# Altium PCB Pannel3.5x2 Ver0.1.PcbDoc (part 4 of 4) (continued)
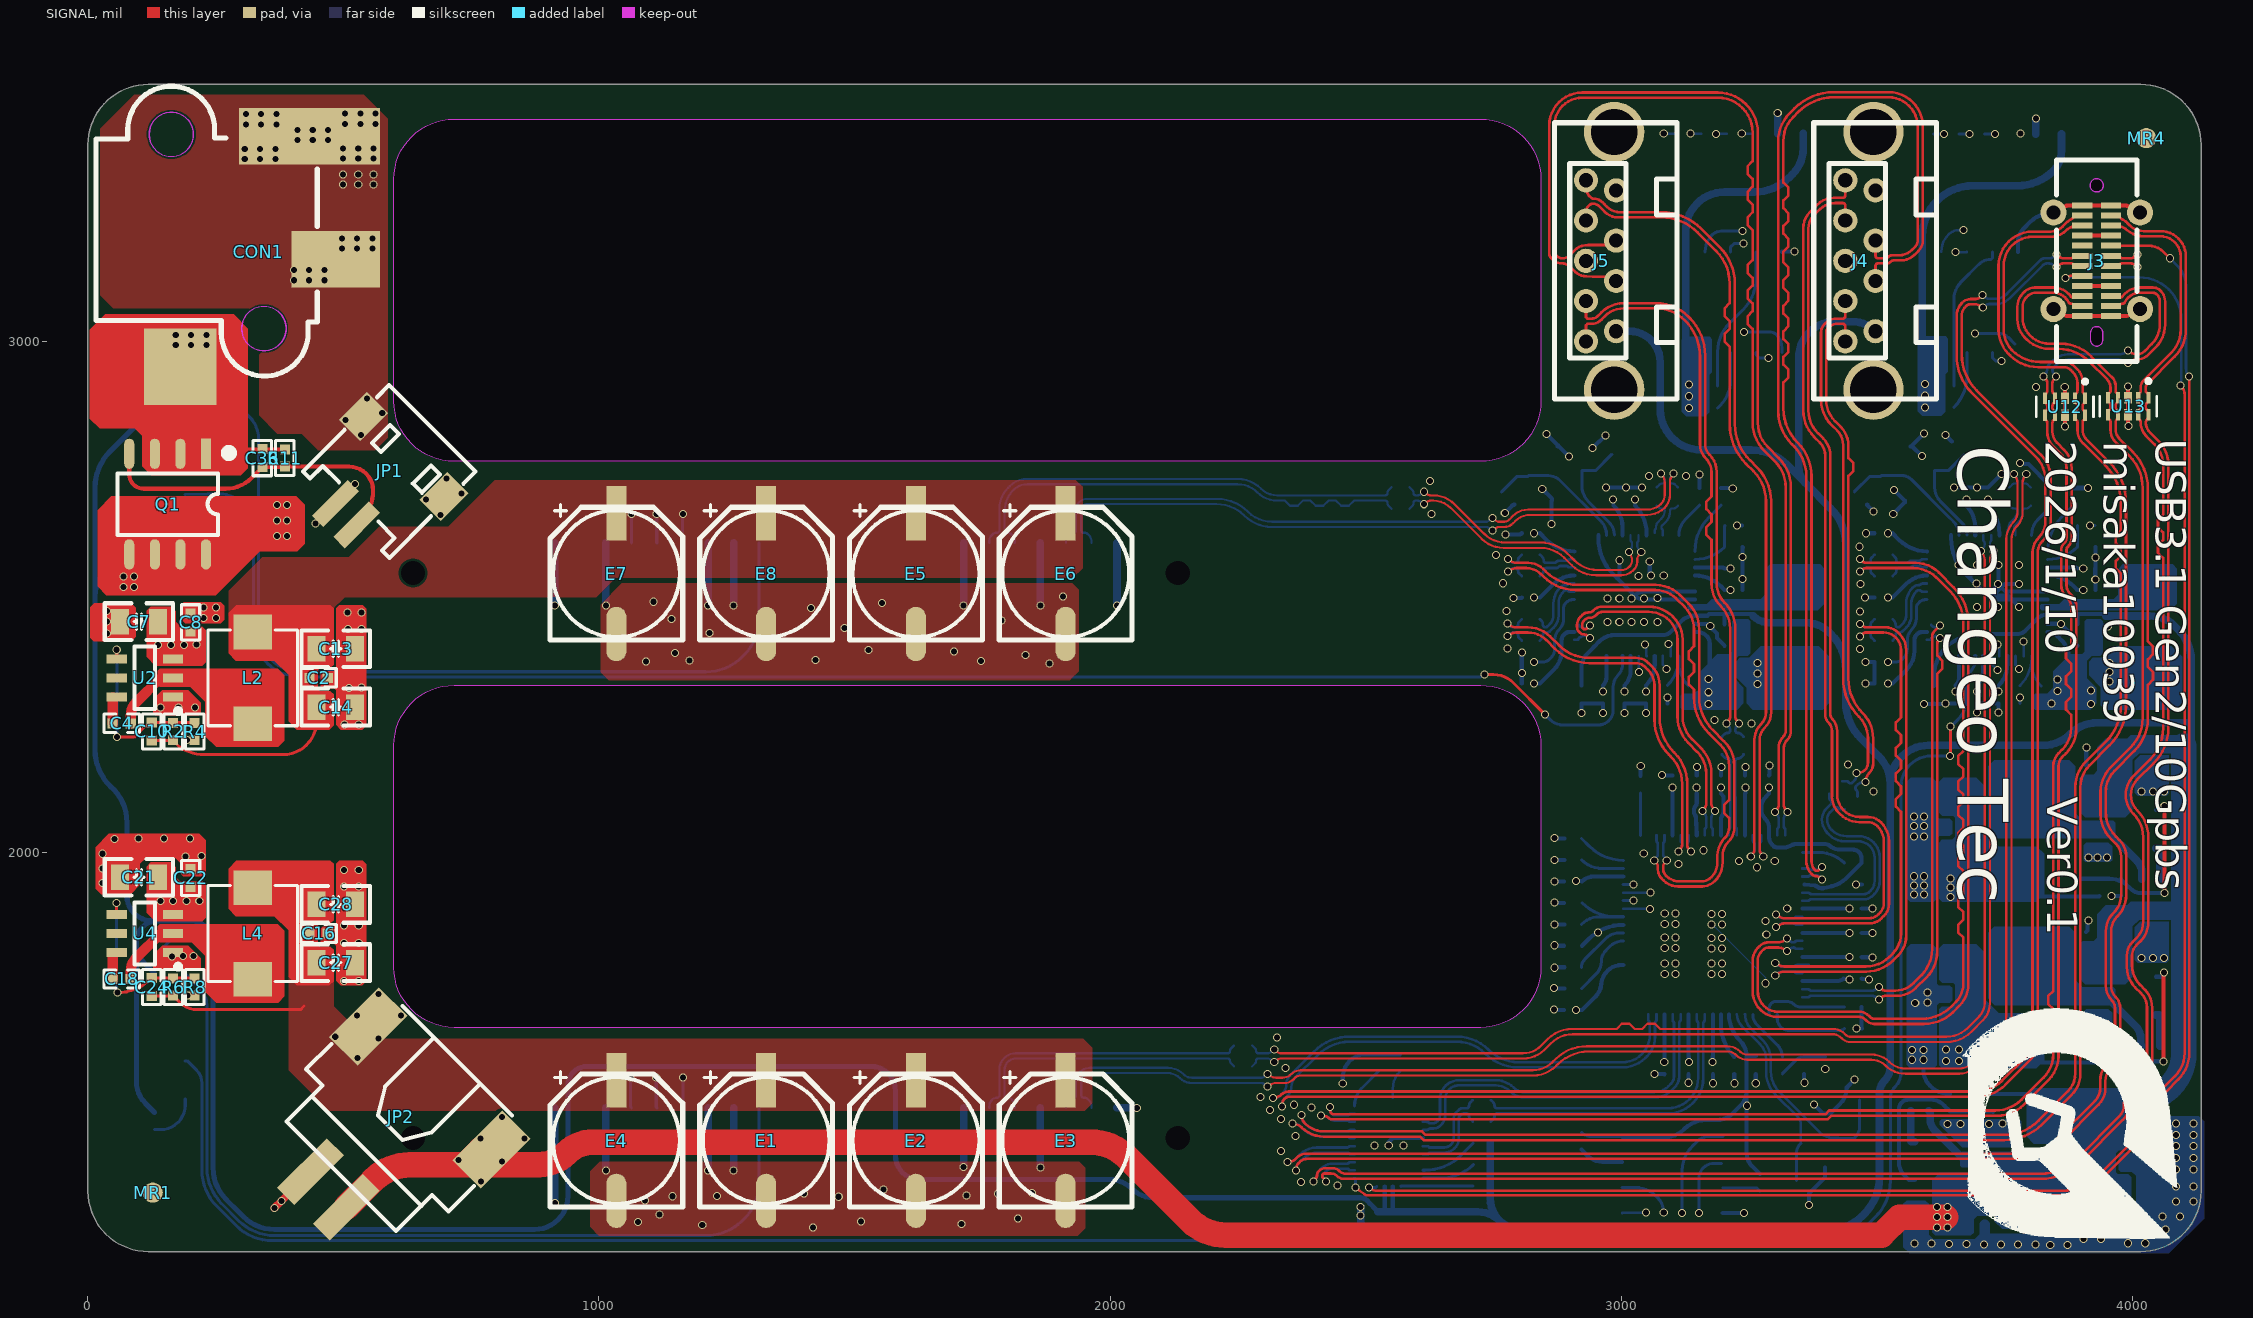
[diagram p0: SIGNAL view]
## Nets (pads, with @x,y where several pads share a name; then routed paths per layer and width w, separated by ;. In a path a pad name is that pad's centre, name@x,y a point inside that pad or via, vN(x,y) a via of type N, cw(c..) or ccw(c..) an arc to the next point about the centre after c; other vN are vias at no path point) (continued)
  other v1: 2954,1844 3644,1913 3644,1932 3644,1950 3147.5,2127.72 3194.7,2127.72
VCC1V2-B: C46.2 C47.2 C49.2 C50.2 C51.2 C52.2 C53.2 C54.2 C55.2 C56.2 L6.2 U6.4 U6.10 U6.18 U6.21 U6.24 U6.29 U6.32 U6.40 | length 723.6
  SIGNAL (Bottom) w6: v1(3522.05,2373) 3536.35,2373 ccw(c3536.35,2391.47) 3544.79,2375.04 ccw(c3536.35,2391.47) 3549.4,2378.4 3552.78,2381.78 ccw(c3536.52,2398.03) 3559.51,2398.03 3559.51,2416 cw(c3588.64,2416) 3568.02,2436.58 ; v1(3522.05,2499) C56.2@3530.72,2499 ; v1(3522.05,2625) C54.2@3530.72,2625 ; 3568.04,2436.6 3568.31,2436.87 ; 3568.33,2436.89 ccw(c3547.06,2458.12) 3577.11,2458.12 3577.11,2479.38 cw(c3588.05,2479.38) 3579.91,2486.68 3582.59,2489.67 cw(c3595.78,2476.46) 3595.78,2495.13 U6.18@3597.89,2495.13 ; v1(3653.58,2315.28) 3653.58,2326.58 C52.2@3654,2327 ; C55.2@3675,2679 v1(3675,2690.72) ; C49.2@3717,2679 v1(3717,2690.72) ; C51.2@3738,2327 v1(3738,2315.28) 3738,2313.41 ccw(c3741.41,2313.41) v1@3739,2311
  SIGNAL (Bottom) w8: C56.2@3530.72,2499 3557.25,2525.54 cw(c3597.89,2484.9) U6.21@3597.89,2542.37 ; C54.2@3530.72,2625 3543.62,2612.09 ccw(c3597.89,2666.36) U6.24@3597.89,2589.61 ; C52.2@3654,2327 ccw(c3637.39,2343.61) 3660.88,2343.61 U6.10@3660.88,2384.89 ; C55.2@3675,2679 cw(c3633.05,2637.05) 3692.38,2637.05 U6.29@3692.38,2621.11 ; C49.2@3717,2679 cw(c3662.39,2624.39) 3739.62,2624.39 U6.32@3739.62,2621.11 ; C51.2@3738,2327 ccw(c3696.07,2368.93) 3755.37,2368.93 U6.4@3755.37,2384.89 ; U6.40@3834.11,2542.37 cw(c3834.11,2471.1) 3861.24,2537.01 cw(c3834.11,2471.1) 3884.51,2521.49 C50.2@3892,2514 v1(3903.72,2514)
  other v1: 3955,2335 3955,2354 3955,2371
VCC1V2-C: C68.2 C69.2 C71.2 C72.2 C73.2 C74.2 C75.2 C76.2 C77.2 C78.2 L7.2 U8.4 U8.10 U8.18 U8.21 U8.24 U8.29 U8.32 U8.40 | length 739.8
  SIGNAL (Bottom) w6: v1@2826,2499 v1(2829,2499) C73.2@2840.72,2499 ; v1(2829,2373) C74.2@2840.72,2373 2846.35,2373 ccw(c2846.35,2391.47) 2859.4,2378.4 2862.78,2381.78 ccw(c2846.52,2398.03) 2869.51,2398.03 2869.51,2415.62 cw(c2899.56,2415.62) 2878.31,2436.87 ; v1(2829,2625) C71.2@2840.72,2625 ; 2878.33,2436.89 ccw(c2857.06,2458.12) 2887.11,2458.12 2887.11,2479.38 cw(c2898.05,2479.38) 2888.72,2485.1 2889.84,2486.92 2892.58,2489.66 cw(c2905.78,2476.46) 2905.78,2495.13 U8.18@2907.89,2495.13 ; v1(2964,2315.28) C77.2@2964,2327 ; v1(2984,2690.72) 2985,2689.72 C78.2@2985,2679 ; C76.2@3027,2679 v1(3027,2690.72) ; v1@3045,2309.65 3048,2312.65 v1(3048,2315.28) C75.2@3048,2327 ; C72.2@3202,2514 v1(3213.72,2514) v1@3214.72,2513
  SIGNAL (Bottom) w8: C73.2@2840.72,2499 2867.25,2525.54 cw(c2907.89,2484.9) U8.21@2907.89,2542.37 ; C71.2@2840.72,2625 2853.62,2612.09 ccw(c2907.89,2666.36) U8.24@2907.89,2589.61 ; C77.2@2964,2327 ccw(c2947.39,2343.61) 2970.88,2343.61 U8.10@2970.88,2384.89 ; C78.2@2985,2679 cw(c2943.05,2637.05) 3002.38,2637.05 U8.29@3002.38,2621.11 ; C76.2@3027,2679 cw(c2972.39,2624.39) 3049.62,2624.39 U8.32@3049.62,2621.11 ; C75.2@3048,2327 ccw(c3006.07,2368.93) 3065.37,2368.93 U8.4@3065.37,2384.89 ; U8.40@3144.11,2542.37 cw(c3144.11,2471.1) 3194.51,2521.49 C72.2@3202,2514
  other v1: 3266,2330 3266,2351 3266,2371
VCC3.3V-VL822: C15.1 C23.2 C25.1 C26.1 C102.2 C103.2 C104.2 C105.2 C106.2 L3.2 R5.1 R30.2 R31.2 R33.2 R35.2 R38.2 R40.2 R43.2 R44.2 R45.2 R46.2 R47.1 U11.17 U11.24 U11.46 U11.62 U11.73 U14.8 | length 1784.5
  SIGNAL (Bottom) w6: R47.1@2922,1452.73 ccw(c2940.67,1471.4) 2940.67,1445 U14.8@3001.57,1445
  SIGNAL (Bottom) w8: v1(2868,1735) ccw(c2870.41,1737.41) 2870.41,1734 R33.2@2888.54,1734 ; v1(2869,1775) cw(c2871.41,1772.59) 2871.41,1776 R31.2@2888.54,1776 ; v1(2869,1860) R30.2@2888.54,1860 ; v1(2869,2029) ccw(c2871.41,2031.41) 2871.41,2028 R35.2@2888.54,2028 ; v1(2911.28,1692) C103.2@2923,1692 2947.86,1716.86 ; v1(2911.28,1945) 2911.78,1944.5 2922.5,1944.5 C102.2@2923,1944 cw(c2945.93,1921.07) 2945.93,1953.5 U11.73@3003.8,1953.5 ; 2948.98,1717.98 ccw(c2919.96,1747) 2958.71,1733.48 ccw(c2919.96,1747) 2960.41,1740.04 ccw(c2919.96,1747) 2960.98,1745.75 cw(c3003.3,1738.6) 2972.95,1768.95 cw(c3000.35,1741.56) 3000.35,1780.3 U11.62@3003.8,1780.3 ; U14.8@3001.57,1445 3003.81,1442.76 3082.56,1442.76 ccw(c3082.56,1501.21) 3123.88,1459.88 cw(c3165.21,1418.56) 3165.21,1477 3185.87,1477 ccw(c3185.87,1523.56) 3218.79,1490.64 3232.43,1504.27 ccw(c3201.7,1535) 3245.16,1535 ; R38.2@3037.3,2150.57 3037.65,2150.92 3037.65,2169.65 v1(3038,2170) ; U11.46@3210.5,1683.8 ccw(c3281.24,1683.8) 3231.21,1633.79 ; 3231.24,1633.76 cw(c3197.55,1600.12) 3245.16,1600.12 ; C106.2@3263,1602 3245.16,1602 3245.16,1600.12 ; R46.2@3271,1371.73 3255.36,1387.37 cw(c3279.98,1412) 3245.16,1412 3245.16,1535 ; v1(3289,2127.72) 3289.1,2127.62 3289.1,2116.1 C104.2@3289.2,2116 3283.47,2110.27 ccw(c3306.35,2087.4) 3274,2087.4 3274,2084.75 ccw(c3299.95,2084.75) 3281.58,2066.42 cw(c3263.25,2048.05) 3289.2,2048.05 U11.17@3289.2,2034.2 3289.2,2030.05 ccw(c3309.66,2030.05) 3292.01,2019.71 ccw(c3309.66,2030.05) 3295.19,2015.58 ccw(c3305,2022.39) 3296.54,2013.97 ccw(c3305,2022.39) 3296.58,2013.92 ccw(c3305,2022.39) 3305,2010.45 3310.38,2010.45 3320.7,2010.45 ccw(c3320.7,2022.39) 3325.29,2011.37 3331.68,2014.03 ; 3334,2015 3331.68,2014.03 ; U11.24@3358,1938 3378.78,1935.5 cw(c3377.87,1927.56) 3382.71,1933.92 ccw(c3393,1947.3) 3396.95,1930.89 3411.29,1934.34 ccw(c3399,1989.91) 3439.24,1949.67 R45.2@3469.57,1980 3469.57,1989.96 ccw(c3453.96,1989.96) 3465,2001 ccw(c3452.93,1988.93) 3452.93,2006 3428.39,2006 cw(c3428.39,2038.08) 3406.52,2014.61 ccw(c3396.1,1993.1) 3396.1,2017 3342.81,2017 ccw(c3342.81,1994.64) 3341.78,2016.98 ccw(c3342.81,1994.64) 3331.68,2014.03 ; v1(3459.98,1656) R44.2@3469.73,1656 ; R43.2@3469.73,1698 3469.73,1657.27 R44.2@3471,1656 ; 3706.73,1589.27 R5.1@3935,1589.27 ; 3245.16,1535 3245.16,1600.12
  other v1: 3246,1505 3399,1577.17 3635,1592.82 3661,1592.82 3635,1614.69 3661,1614.69
VCC3V3-B: C48.2 C59.2 C60.2 C61.2 C62.2 JP3.1 R16.1 R17.1 R20.1 R21.1 U6.7 U6.14 U6.39 U6.46 U7.8 | length 1210.7
  PWR w15: 3563,2762 3563,2840 v1(3594,2871) v1(3594,2894) v1(3594,2917)
  SIGNAL (Bottom) w6: v1(3522.05,2331) C62.2@3530.72,2331 ; v1(3695.84,2315.28) v1@3697.7,2313.42 ; C48.2@3780,2291.57 v1(3780,2303.29) ; C60.2@3892,2556 v1(3903.72,2556) ; v1@3915.58,2641 v1(3916.58,2640) R16.1@3926.32,2640
  SIGNAL (Bottom) w8: C62.2@3530.72,2331 3558.49,2358.78 ccw(c3522.88,2394.39) 3573.24,2394.39 3573.24,2415.25 cw(c3590.13,2415.25) 3578.19,2427.19 cw(c3590.13,2415.25) 3590.13,2432.13 U6.14@3597.89,2432.13 ; v1(3695.84,2315.28) 3695.92,2315.37 3695.92,2326.92 C61.2@3696,2327 ccw(c3666.73,2356.27) 3708.13,2356.27 U6.7@3708.13,2384.89 ; U6.46@3834.11,2447.88 v1(3860.12,2447.88) 3886.16,2421.84 3886.16,2410.84 C59.2@3892,2405 ; U6.39@3834.11,2558.12 3886.89,2558.12 cw(c3886.89,2550.89) C60.2@3892,2556
  SIGNAL (Bottom) w10: R17.1@3885,2713.32 3885.11,2713.21 3912.73,2713.21 v1(3912.84,2713.1)
  SIGNAL (Bottom) w15: 3589,2981 3589,3206.1 cw(c3687.75,3206.1) 3617.92,3275.92 cw(c3687.75,3206.1) 3687.75,3304.85 3774.43,3304.85 ccw(c3774.43,3404.85) 3845.14,3334.14 ccw(c3806.84,3372.43) 3861,3372.43 JP3.1@3861,3406
VCC3V3-C: C70.2 C81.2 C82.2 C83.2 C84.2 JP4.1 R22.1 R23.1 R26.1 R27.2 U8.7 U8.14 U8.39 U8.46 U9.8 | length 1147.7
  PWR w15: 3132,2762 v1(3132,2870) v1(3132,2893) v1(3132,2916)
  SIGNAL (Bottom) w8: v1@2828,2330 v1(2829,2331) C82.2@2840.72,2331 2868.49,2358.78 ccw(c2832.88,2394.39) 2883.24,2394.39 2883.24,2415.25 cw(c2900.13,2415.25) 2888.19,2427.19 cw(c2900.13,2415.25) 2900.13,2432.13 U8.14@2907.89,2432.13 ; v1(3006,2315.28) C81.2@3006,2327 ccw(c2976.73,2356.27) 3018.13,2356.27 U8.7@3018.13,2384.89 ; C70.2@3090,2291.57 3090.21,2291.78 3090.21,2303.07 v1(3090.42,2303.29) ; U8.46@3144.11,2447.88 3144.17,2447.82 3168.08,2447.82 3171.9,2444 v1(3174,2444) 3174,2441.9 3186.8,2429.11 3186.8,2420.21 C84.2@3202,2405 ; U8.39@3144.11,2558.12 3196.89,2558.12 cw(c3196.89,2550.89) C83.2@3202,2556 v1(3213.72,2556) v1@3214.72,2557 ; R23.1@3195,2713.32 3195.16,2713.16 3217.84,2713.16 v1(3218,2713) ; v1(3226.58,2640) R22.1@3236.32,2640
  SIGNAL (Bottom) w15: 3126,2989 3126,3216.5 cw(c3202.05,3216.5) 3148.28,3270.28 cw(c3202.05,3216.5) 3202.05,3292.55 3259.96,3292.55 ccw(c3259.96,3389.04) 3328.19,3320.81 3335.36,3327.99 ccw(c3285.54,3377.81) 3356,3377.81 JP4.1@3356,3407
VCC5V-A: C2.1 C10.2 C13.1 C14.1 E5.1 E6.1 E7.1 E8.1 J1.P7 J1.P8 J1.P9 L2.2 R2.1 | length 567.2
  SIGNAL w6: C10.2@125,2219.55 R2.1@166,2219.55 ; R2.1@166,2220 166.24,2219.77 172.36,2213.69 178.3,2207.81 cw(c174.09,2203.53) 178.63,2207.45 ccw(c193.77,2220.41) 186.75,2201.76 197.33,2197.75 ccw(c228.77,2280.77) 228.77,2192 381.65,2192 ccw(c381.65,2258.02) 428.34,2211.34 428.46,2211.46 ccw(c382.09,2257.84) 447.67,2257.84 C14.1@447.67,2285
  SIGNAL (Bottom) w6: J1.P9@1063.43,2606.09 1063.43,2662.43 v1(1064,2663) ; v1(1113,2663) 1113,2606.52 J1.P8@1113.43,2606.09 ; J1.P7@1163.43,2606.09 1163.43,2662.43 v1(1164,2663)
VCC5V-B: C16.1 C24.2 C27.1 C28.1 E1.1 E2.1 E3.1 E4.1 J2.P7 J2.P8 J2.P9 JP2.0@548.61,1660.31 L4.2 R6.1 | length 489.6
  SIGNAL w6: C24.2@125,1719.55 166.02,1719.55 R6.1@167,1720.54 180.77,1706.77 ccw(c214.01,1740.01) 214.01,1693 416,1693 423,1700
  SIGNAL (Bottom) w6: v1(1062,1560) 1062,1502.27 J2.P9@1063.43,1500.84 ; v1(1112,1560) 1112,1502.27 J2.P8@1113.43,1500.84 ; J2.P7@1163.43,1500.84 1164,1501.41 v1(1164,1560)
  other v1: 528,1598 569,1637 484,1640 527,1682 613,1682 569,1724
VCC12V: C7.2 C8.2 C21.2 C22.2 C31.2 C32.2 J1.P13 J1.P14 J1.P15 J2.P13 J2.P14 J2.P15 JP2.0@789.52,1419.39 JP2.1 Q1.5 Q1.6 Q1.7 Q1.8 U2.3 U4.3 U5.3 | length 3405.1
  SIGNAL w50: JP2.1@505.34,1306.54 558.68,1359.87 cw(c629.39,1289.16) 558.78,1359.98 cw(c629.39,1289.16) 629.39,1389.16 JP2.0@738.97,1389.16 ; v1@3634.96,1287 v1(3618,1287) 3544,1287 3509,1252 2226.42,1252 cw(c2226.42,1352) 2155.71,1281.29 2032.29,1404.71 ccw(c1961.58,1334) 1961.58,1434 989.11,1434 ccw(c989.11,1358.89) 936,1412 cw(c882.89,1465.11) 882.89,1390 866.46,1390 ; JP2.0@738.97,1389.16 865.62,1389.16 866.46,1390 ; JP2.0@738.97,1389.16 769.2,1419.39 JP2.0@789.52,1419.39 818.92,1390 866.46,1390
  other v1: 3618,1267 3638,1267 3638,1287 3618,1307 3638,1307 768.92,1357.08 809.92,1396.08 724.92,1399.08 767.92,1441.08 853.92,1441.08 809.92,1483.08 142,1906 167,1906 193,1906 218,1906 137,2406 163,2406 188,2406 213,2407 70,2520 90,2520 70,2540 90,2540 370,2620 390,2620 370,2650 390,2650 370,2680 390,2680
VIN: C36.1 CON1.1 Q1.1 Q1.2 Q1.3 R11.1 | length 88.4
  SIGNAL w8: 297,2789 297.27,2788.73 R11.1@385.33,2788.73
  other v1: 172,2993 202,2993 232,2993 172,3013 202,3013 232,3013
XIN: C108.1 U11.45 Y3.3 | length 372.7
  SIGNAL (Bottom) w5.1: U11.45@3226.2,1683.8 ccw(c3258.06,1683.8) 3235.53,1661.27 3271.4,1625.4 cw(c3242.56,1596.56) 3283.35,1596.56 3283.35,1570.67 ccw(c3345.85,1570.67) 3301.63,1526.5 3345.43,1482.7 cw(c3331.73,1469) 3351.11,1469 Y3.3@3351.11,1431.43
  SIGNAL (Bottom) w6: C108.1@3342.47,1358.53 3342.47,1410.59 cw(c3371.95,1410.59) Y3.3@3351.11,1431.43
XIN-B: C66.1 U6.27 Y1.3 | length 272.7
  SIGNAL (Bottom) w6: C66.1@3456,2706 3486.43,2736.43 Y1.3@3507.11,2736.43 cw(c3510.47,2733.07) 3510.47,2737.82 3549.32,2737.82 cw(c3549.32,2712.32) 3567.35,2730.35 3638.2,2659.51 3649.77,2647.94 cw(c3622.94,2621.11) 3660.67,2625.11 cw(c3622.94,2621.11) U6.27@3660.88,2621.11
XIN-C: C88.1 U8.27 Y2.3 | length 273.3
  SIGNAL (Bottom) w6: C88.1@2766,2706 2796.43,2736.43 Y2.3@2817.11,2736.43 2818.5,2737.82 2857,2737.82 cw(c2857,2704.99) 2880.2,2728.22 2961.58,2646.85 cw(c2939.12,2624.39) 2970.88,2624.39 U8.27@2970.88,2621.11
XOUT: C107.1 U11.44 Y3.1 | length 433.8
  SIGNAL (Bottom) w5.1: U11.44@3242,1683.8 ccw(c3280.93,1683.8) 3242.53,1677.39 ccw(c3280.93,1683.8) 3253.39,1656.28 ; 3253.4,1656.27 3272.93,1636.75 3277.8,1631.87 cw(c3242.56,1596.56) 3277.88,1631.8 cw(c3242.56,1596.56) 3292.45,1596.56 3292.45,1572.56 ccw(c3350.4,1572.56) 3309.42,1531.58 3389.28,1451.72 ccw(c3411.37,1473.8) 3411.37,1442.57 3424.31,1442.57 3425.7,1441.18 3455.5,1441.18 Y3.1@3456.89,1442.57
  SIGNAL (Bottom) w6: Y3.1@3456.89,1442.57 ccw(c3434.78,1464.68) 3466.05,1464.68 C107.1@3466.05,1515.94
XOUT-B: C65.1 U6.28 Y1.1 | length 221.1
  SIGNAL (Bottom) w6: 3623.92,2687.92 3666.29,2645.55 cw(c3642.21,2621.47) U6.28@3676.27,2621.47 ; 3623.9,2687.95 cw(c3650.56,2714.56) 3612.89,2714.56 Y1.1@3612.89,2747.57 3639.62,2747.57 C65.1@3671.53,2779.47
XOUT-C: C87.1 U8.28 Y2.1 | length 220.8
  SIGNAL (Bottom) w6: C87.1@2981.53,2779.47 2949.62,2747.57 Y2.1@2922.89,2747.57 2922.89,2717.9 ccw(c2966.9,2717.9) 2935.78,2686.78 2975.79,2646.78 cw(c2950.48,2621.47) U8.28@2986.27,2621.47
pads on no net: J1. J1.P1 J1.P2 J1.P3 J1.SH1 J1.SH2 J2. J2.P1 J2.P2 J2.P3 J2.SH2 J3.A8 J3.B8 MR1.Mark MR2.Mark MR3.Mark MR4.Mark U1.5 U2.5 U3.5 U4.5 U5.5 U6.16 U6.17 U6.25 U6.35 U6.41 U6.48 U8.16 U8.17 U8.25 U8.35 U8.41 U8.48 U10.11 U10.12 U10.14 U10.15 U10.16 U10.22 U11.2 U11.21 U11.39 U11.42 U11.57 U11.58 U11.59 U11.60 U11.61 U11.63 U11.64 U11.76

## Polygon pours and split planes (outlines as drawn)
GND on PWR "GND_L03_P015" (solid, remove dead copper, pour order 15): 118.36,1219.68 cw(c118.4,1337.84) 0.25,1337.79 0.25,3385.04 cw(c118.34,3385.06) 118.36,3503.15 4016,3503.15 cw(c4016.09,3385.13) 4134.11,3385.04 4134.11,1337.8 cw(c4016.02,1337.78) 4016,1219.69
VCC3V3-B on PWR "VCC3V3-B_L03_P001" (solid, remove dead copper, pour order 1): 3874,2242 3486,2242 3413,2315 3413,2720 3464,2771 3918,2771 3969,2720 3969,2481 3922,2434 3857,2434 3852,2439 3852,2454 3862,2464 3901,2464 3914,2477 3914,2522 3892,2544 3892,2649 3845,2696 3577,2696 3511,2630 3511,2367 3565,2313 3803,2313
VCC1.05V-VL822 on PWR "VCC1.05V-VL822_L03_P005" (solid, remove dead copper, pour order 5): 3666,1953 3666,1705 3631,1670 3434,1670 3346,1582 3021,1582 2934,1669 2934,2052 3025,2143 3241,2143 3267,2117 3267,2030 3242,2005 3047,2005 3009,1967 3009,1899 3032,1876 3207,1876 3242.37,1911.37 3323.37,1911.37 3393,1981 3638,1981
VCC3.3V-VL822 on PWR "VCC3.3V-VL822_L03_P007" (solid, remove dead copper, pour order 7): 3666,1705 3667,1704 3667,1584 3628,1545 3493,1545 3436,1488 2938,1488 2845,1581 2845,2104 2953,2212 3283,2212 3317,2178 3317,2131 3303,2117 3267,2117 3241,2143 3025,2143 2934,2052 2934,1669 3021,1582 3346,1582 3434,1670 3631,1670
VCC1V2-C on PWR "VCC1V2-C_L03_P002" (solid, remove dead copper, pour order 2): 3280,2273 3270,2263 3163,2263 3113,2313 3039,2313 2875,2313 2821,2367 2821,2630 2887,2696 3155,2696 3202,2649 3202,2544 3224,2522 3224,2477 3211,2464 3042,2464 3028,2450 3028,2367 3038,2357 3108,2357 3134,2383 3272,2383 3280,2375 3280,2357
VCC3V3-C on PWR "VCC3V3-C_L03_P003" (solid, remove dead copper, pour order 3): 3184,2242 2816,2242 2714,2344 2714,2683 2802,2771 3228,2771 3279,2720 3279,2481 3232,2434 3167,2434 3162,2439 3162,2454 3172,2464 3211,2464 3224,2477 3224,2522 3202,2544 3202,2649 3155,2696 2887,2696 2821,2630 2821,2367 2875,2313 3113,2313
VCC1V2-B on PWR "VCC1V2-B_L03_P000" (solid, remove dead copper, pour order 0): 3970,2273 3960,2263 3853,2263 3803,2313 3729,2313 3565,2313 3511,2367 3511,2630 3577,2696 3845,2696 3892,2649 3892,2544 3914,2522 3914,2477 3901,2464 3732,2464 3718,2450 3718,2367 3728,2357 3798,2357 3824,2383 3962,2383 3970,2375 3970,2357
GND on SIGNAL "GND_L01_P014" (solid, remove dead copper, pour order 14): 1003,2485 1003,2353 1019,2337 1921,2337 1939,2355 1939,2514 1926,2527 1045,2527
GND on SIGNAL "GND_L01_P013" (solid, remove dead copper, pour order 13): 1001,1395 983,1377 983,1268 1000,1251 1937,1251 1951,1265 1951,1384 1940,1395
GND on SIGNAL "GND_L01_P010" (solid, remove dead copper, pour order 10): 91,3483 24,3416 24,3091 50,3065 312,3065 335,3042 335,2856 371,2820 418,2820 450,2788 450,2787 562,2787 587,2812 587,3436 540,3483
VCC5V-B on SIGNAL "VCC5V-B_L01_P009" (solid, remove dead copper, pour order 9): 392.67,1757 392.67,1574.33 472,1495 1950,1495 1965,1510 1965,1618 1947,1636 544,1636 480.67,1699.33 480.67,1749 462.67,1767 402.67,1767
VCC5V-A on SIGNAL "VCC5V-A_L01_P008" (solid, remove dead copper, pour order 8): 275.67,2456.67 303,2484 461,2484 473.83,2471.17 502.67,2500 995,2500 1033,2538 1927,2538 1946,2557 1946,2716 1933,2729 796,2729 705,2638 570,2638 510,2578 341,2578 275.67,2512.67
VCC12V on SIGNAL (Bottom) "VCC12V_L04_P012" (solid, remove dead copper, pour order 12): 39,2549 5,2515 5,1963 101,1867 218,1867 244,1841 244,1581 321,1504 624,1504 701,1427 866,1427 890,1451 890,1646 865,1671 686,1671 644,1713 644,2287 588,2343 479,2343 273,2549
VCC12V on SIGNAL (Bottom) "VCC12V_L04_P011" (solid, remove dead copper, pour order 11): 452,2703 466,2689 466,2471 490,2447 708,2447 733,2472 733,2659 744,2670 879,2670 890,2659 890,2381 865,2356 379,2356 334,2401 334,2682 355,2703
GND on GROUND "GND_L02_P004" (solid, remove dead copper, pour order 4): 118.36,1219.68 cw(c118.4,1337.84) 0.25,1337.79 0.25,3385.04 cw(c118.34,3385.06) 118.36,3503.15 4016,3503.15 cw(c4016.09,3385.13) 4134.11,3385.04 4134.11,1337.8 cw(c4016.02,1337.78) 4016,1219.69

## Other copper
SIGNAL:
  region net VCC12V: 115,1883 132,1866 224,1866 231,1873 231,1937 224,1944 180,1944 172,1952 172,1972 163,1981 123,1981 115,1973
  region net GND: 188,2490 184,2486 184,2456 191,2449 260,2449 267,2456 267,2483 260,2490
  region net GND: 94,2479 94,2423 85,2414 12,2414 5,2421 5,2480 13,2488 85,2488
  region net GND: 102,1937 84,1919 26,1919 15,1930 15,2011 41,2037 218,2037 231,2024 231,1959 226,1954 187,1954 184,1957 184,1977 171,1990 114,1990 102,1978
  region net GND: 146,2318 128,2300 128,2274 133,2269 217,2269 221,2273 221,2293.51 196.51,2318 188,2318
  region net GND: 146,1818 128,1800 128,1774 133,1769 217,1769 221,1773 221,1793.51 196.51,1818 188,1818
  region net VCC12V: 19,2670 19,2521 36,2504 250,2504 336,2590 410,2590 424,2604 424,2681 408,2697 46,2697
  region net VCC5V-A: 275.67,2390 275.67,2469 290.67,2484 474.67,2484 480.67,2478 480.67,2368 475.67,2363 455.67,2363 449.67,2357 449.67,2320 453.67,2316 474.67,2316 480.67,2310 480.67,2249 472.67,2241 408.67,2241 392.67,2257 392.67,2348 364.67,2376 289.67,2376
  region net GND: 494.67,2241 485.67,2250 485.67,2318 481.67,2322 459.67,2322 455.67,2326 455.67,2351 459.67,2355 480.67,2355 485.67,2360 485.67,2478 491.67,2484 537.67,2484 544.67,2477 544.67,2249 536.67,2241
  region net NetC4_2: 136.67,2356 140.67,2360 371.67,2360 384.67,2347 384.67,2219 372.67,2207 251,2207 230,2228 230,2295.67 200.67,2325 140.67,2325 136.67,2329
  region net VCC12V: 115,2383 132,2366 224,2366 231,2373 231,2435 224,2442 182,2442 172,2452 172,2472 163,2481 123,2481 115,2473
  region net VIN: 34,3053 4,3023 4,2849 23,2830 92,2830 106,2816 106,2756 124,2738 299,2738 313,2752 313,3025 285,3053
  region net NetC18_2: 136.67,1856 140.67,1860 371.67,1860 384.67,1847 384.67,1719 372.67,1707 251,1707 230,1728 230,1798 203,1825 140.67,1825 136.67,1829
  region net GND: 494.67,1741 485.67,1750 485.67,1818 481.67,1822 459.67,1822 455.67,1826 455.67,1851 459.67,1855 480.67,1855 485.67,1860 485.67,1978 491.67,1984 537.67,1984 544.67,1977 544.67,1749 536.67,1741
  region net VCC5V-B: 275.67,1890 275.67,1969 290.67,1984 474.67,1984 480.67,1978 480.67,1868 475.67,1863 455.67,1863 449.67,1857 449.67,1820 453.67,1816 474.67,1816 480.67,1810 480.67,1749 472.67,1741 408.67,1741 392.67,1757 392.67,1848 364.67,1876 289.67,1876
SIGNAL (Bottom):
  region net VCC3V3-B: 3635,3010 3639,3006 3639,2941 3634,2936 3634,2863 3626,2855 3589,2855 3580,2864 3580,3005 3585,3010
  region net VCC3V3-C: 3173,3009 3177,3005 3177,2940 3172,2935 3172,2862 3164,2854 3127,2854 3118,2863 3118,3004 3123,3009
  region net GND: 3667,1424 3777,1424 3782,1429 3782,1475 3778,1479 3627,1479 3623,1475 3623,1468
  region net GND: 3608,1821 3617,1812 3617,1744 3621,1740 3643,1740 3647,1736 3647,1711 3643,1707 3622,1707 3617,1702 3617,1584 3611,1578 3565,1578 3558,1585 3558,1813 3566,1821
  region net GND: 3608,2147 3617,2138 3617,2070 3621,2066 3643,2066 3647,2062 3647,2037 3643,2033 3622,2033 3617,2028 3617,1910 3611,1904 3565,1904 3558,1911 3558,2139 3566,2147
  region net GND: 3953.01,2020 3960,2013.01 3960,1985 3957,1982 3908,1982 3905,1985 3905,2015 3910,2020
  region net GND: 3953.01,1694 3960,1687.01 3960,1659 3957,1656 3908,1656 3905,1659 3905,1689 3910,1694
  region net GND: 4130,1484 4019,1484 4011,1476 4011,1422 4002,1413 3978,1413 3973,1408 3973,1380 3977,1376 3999,1376 4007,1368 4007,1298 3995,1286 3914,1286 3883,1255 3702,1255 3691,1244 3610,1244 3601,1253 3601,1313 3595,1319 3558,1319 3552,1313 3552,1228 3564,1216 4071,1216 4140,1285 4140,1474
  region net LXO-C: 3130,2477 3132.22,2474.78 3384.78,2474.78 3397,2487 3397,2556 3389,2564 3291,2564 3282,2555 3282,2505 3273,2496 3177,2496 3167,2486 3132,2486 3130,2484
  region net LXO-B: 3820,2477 3822.22,2474.78 4074.78,2474.78 4087,2487 4087,2556 4079,2564 3981,2564 3972,2555 3972,2505 3963,2496 3867,2496 3857,2486 3822,2486 3820,2484
  region net VCC1V2-B: 3922,2381 3915,2374 3915,2347.17 3938,2324.17 3938,2289 3947,2280 4084,2280 4097,2293 4097,2383 4076,2404 3963,2404 3940,2381
  region net GND: 3938,2457 3942,2453 3942,2390 3937,2385 3920,2385 3911,2376 3911,2341 3929,2323 3929,2292 3917,2280 3810,2280 3806,2284 3806,2307 3810,2311 3833,2311 3845,2323 3845,2355 3878,2388 3902,2388 3907,2393 3907,2453 3911,2457
  region net GND: 3248,2457 3252,2453 3252,2390 3247,2385 3230,2385 3221,2376 3221,2341 3239,2323 3239,2292 3227,2280 3120,2280 3116,2284 3116,2307 3120,2311 3143,2311 3155,2323 3155,2355 3188,2388 3212,2388 3217,2393 3217,2453 3221,2457
  region net GND: 4071,1865 4071,1790 4066,1785 4010,1785 4004,1791 4004,1854 4015,1865 4062,1865
  region net GND: 4071,2191 4071,2116 4066,2111 4010,2111 4004,2117 4004,2180 4015,2191 4062,2191
  region net VCC1V2-C: 3232,2381 3225,2374 3225,2343 3245,2323 3245,2292 3257,2280 3394,2280 3407,2293 3407,2383 3386,2404 3273,2404 3250,2381
  region net VCC12V: 3712,1374 3724,1362 3724,1297 3717,1290 3696,1290 3689,1283 3689,1257 3684,1252 3614,1252 3608.71,1257.29 3608.71,1359.71 3623,1374
  region net VBUS: 4000,2182 4013,2195 4088,2195 4090,2197 4090,2227 4087,2230 3997,2230 3990,2223 3948,2223 3931,2206 3931,2180
  region net VBUS: 4000,1856 4013,1869 4088,1869 4090,1871 4090,1901 4087,1904 3997,1904 3990,1897 3948,1897 3931,1880 3931,1854
  region net NetC3_2: 3966,2032 3962,2028 3731,2028 3718,2041 3718,2169 3730,2181 3876,2181 3888,2169 3888,2077 3902,2063 3962,2063 3966,2059
  region net NetC17_2: 3966,1706 3962,1702 3731,1702 3718,1715 3718,1843 3730,1855 3876,1855 3888,1843 3888,1751 3902,1737 3962,1737 3966,1733
  region net VCC1.05V-VL822: 3827,1998 3827,1919 3812,1904 3628,1904 3622,1910 3622,2020 3627,2025 3647,2025 3653,2031 3653,2068 3649,2072 3628,2072 3622,2078 3622,2139 3630,2147 3694,2147 3710,2131 3710,2040 3738,2012 3813,2012
  region net VCC3.3V-VL822: 3827,1672 3827,1593 3812,1578 3628,1578 3622,1584 3622,1694 3627,1699 3647,1699 3653,1705 3653,1742 3649,1746 3628,1746 3622,1752 3622,1813 3630,1821 3694,1821 3710,1805 3710,1714 3738,1686 3813,1686
  region net VBUS: 3908,2069 3896,2081 3896,2146 3903,2153 3924,2153 3931,2160 3931,2180 3938,2187 3995,2187 4000,2182 4000,2083 3986,2069
  region net VBUS: 3908,1743 3896,1755 3896,1820 3903,1827 3924,1827 3931,1834 3931,1854 3938,1861 3995,1861 4000,1856 4000,1757 3986,1743
  region net VBUS: 3793,1445 3793,1524 3808,1539 3992,1539 3998,1533 3998,1423 3993,1418 3973,1418 3967,1412 3967,1375 3971,1371 3992,1371 3998,1365 3998,1304 3990,1296 3926,1296 3910,1312 3910,1403 3882,1431 3807,1431
  region net NetC30_2: 3663,1411 3667,1415 3873,1415 3892,1396 3892,1276 3880,1264 3745,1264 3731,1278 3731,1368 3714,1385 3666,1385 3663,1388

## Silkscreen, mask and mechanical layers (free items; w line width, h text height)
Top Overlay:
  region: 2830 vertices and 111 holes, not listed, extent 3668.04,1244.88 4088.07,1695.67
  text "USB3.1 Gen2/10Gpbs" at 4045.8,2810.25 h60 r270
  text "2026/1/10" at 3830,2806 h60 r270
  text "misaka10039" at 3944,2805 h60 r270
  text "Changeo Tec" at 3658.32,2797 h100 r270
  text "Ver0.1" at 3833,2110 h60 r270
Mechanical 1:
  lines w0.5: 0.25,1337.79 ccw(c118.4,1337.84) 118.36,1219.68 4016,1219.68 ccw(c4016.02,1337.78) 4134.11,1337.8 4134.11,3385.04 ccw(c4016.09,3385.13) 4016,3503.15 118.36,3503.15 ccw(c118.34,3385.06) 0.25,3385.04 0.25,1337.79 ; 598.68,1776.06 ccw(c716.83,1776.11) 716.79,1657.95 2724.66,1657.95 ccw(c2724.68,1776.04) 2842.77,1776.06 2842.77,2209.57 ccw(c2724.68,2209.59) 2724.66,2327.68 716.79,2327.68 ccw(c716.83,2209.52) 598.68,2209.57 598.68,1776.06 ; 598.68,2883.74 ccw(c716.83,2883.78) 716.79,2765.63 2724.66,2765.63 ccw(c2724.68,2883.72) 2842.77,2883.74 2842.77,3317.24 ccw(c2724.68,3317.27) 2724.66,3435.35 716.79,3435.35 ccw(c716.83,3317.2) 598.68,3317.24 598.68,2883.74